# Altium PCB Hydro_USBL_PCB.PcbDoc (part 2 of 2)
Units mm, origin at the board's own origin, x right, y up, seen from the top; angles counter-clockwise.
Board outline 75 x 75 mm, 4 copper layers (Top Layer, Layer 1, Layer 2, Bottom Layer), stack 0.871 mm thick; 273 components, 152 nets, 824 pads, 226 vias.
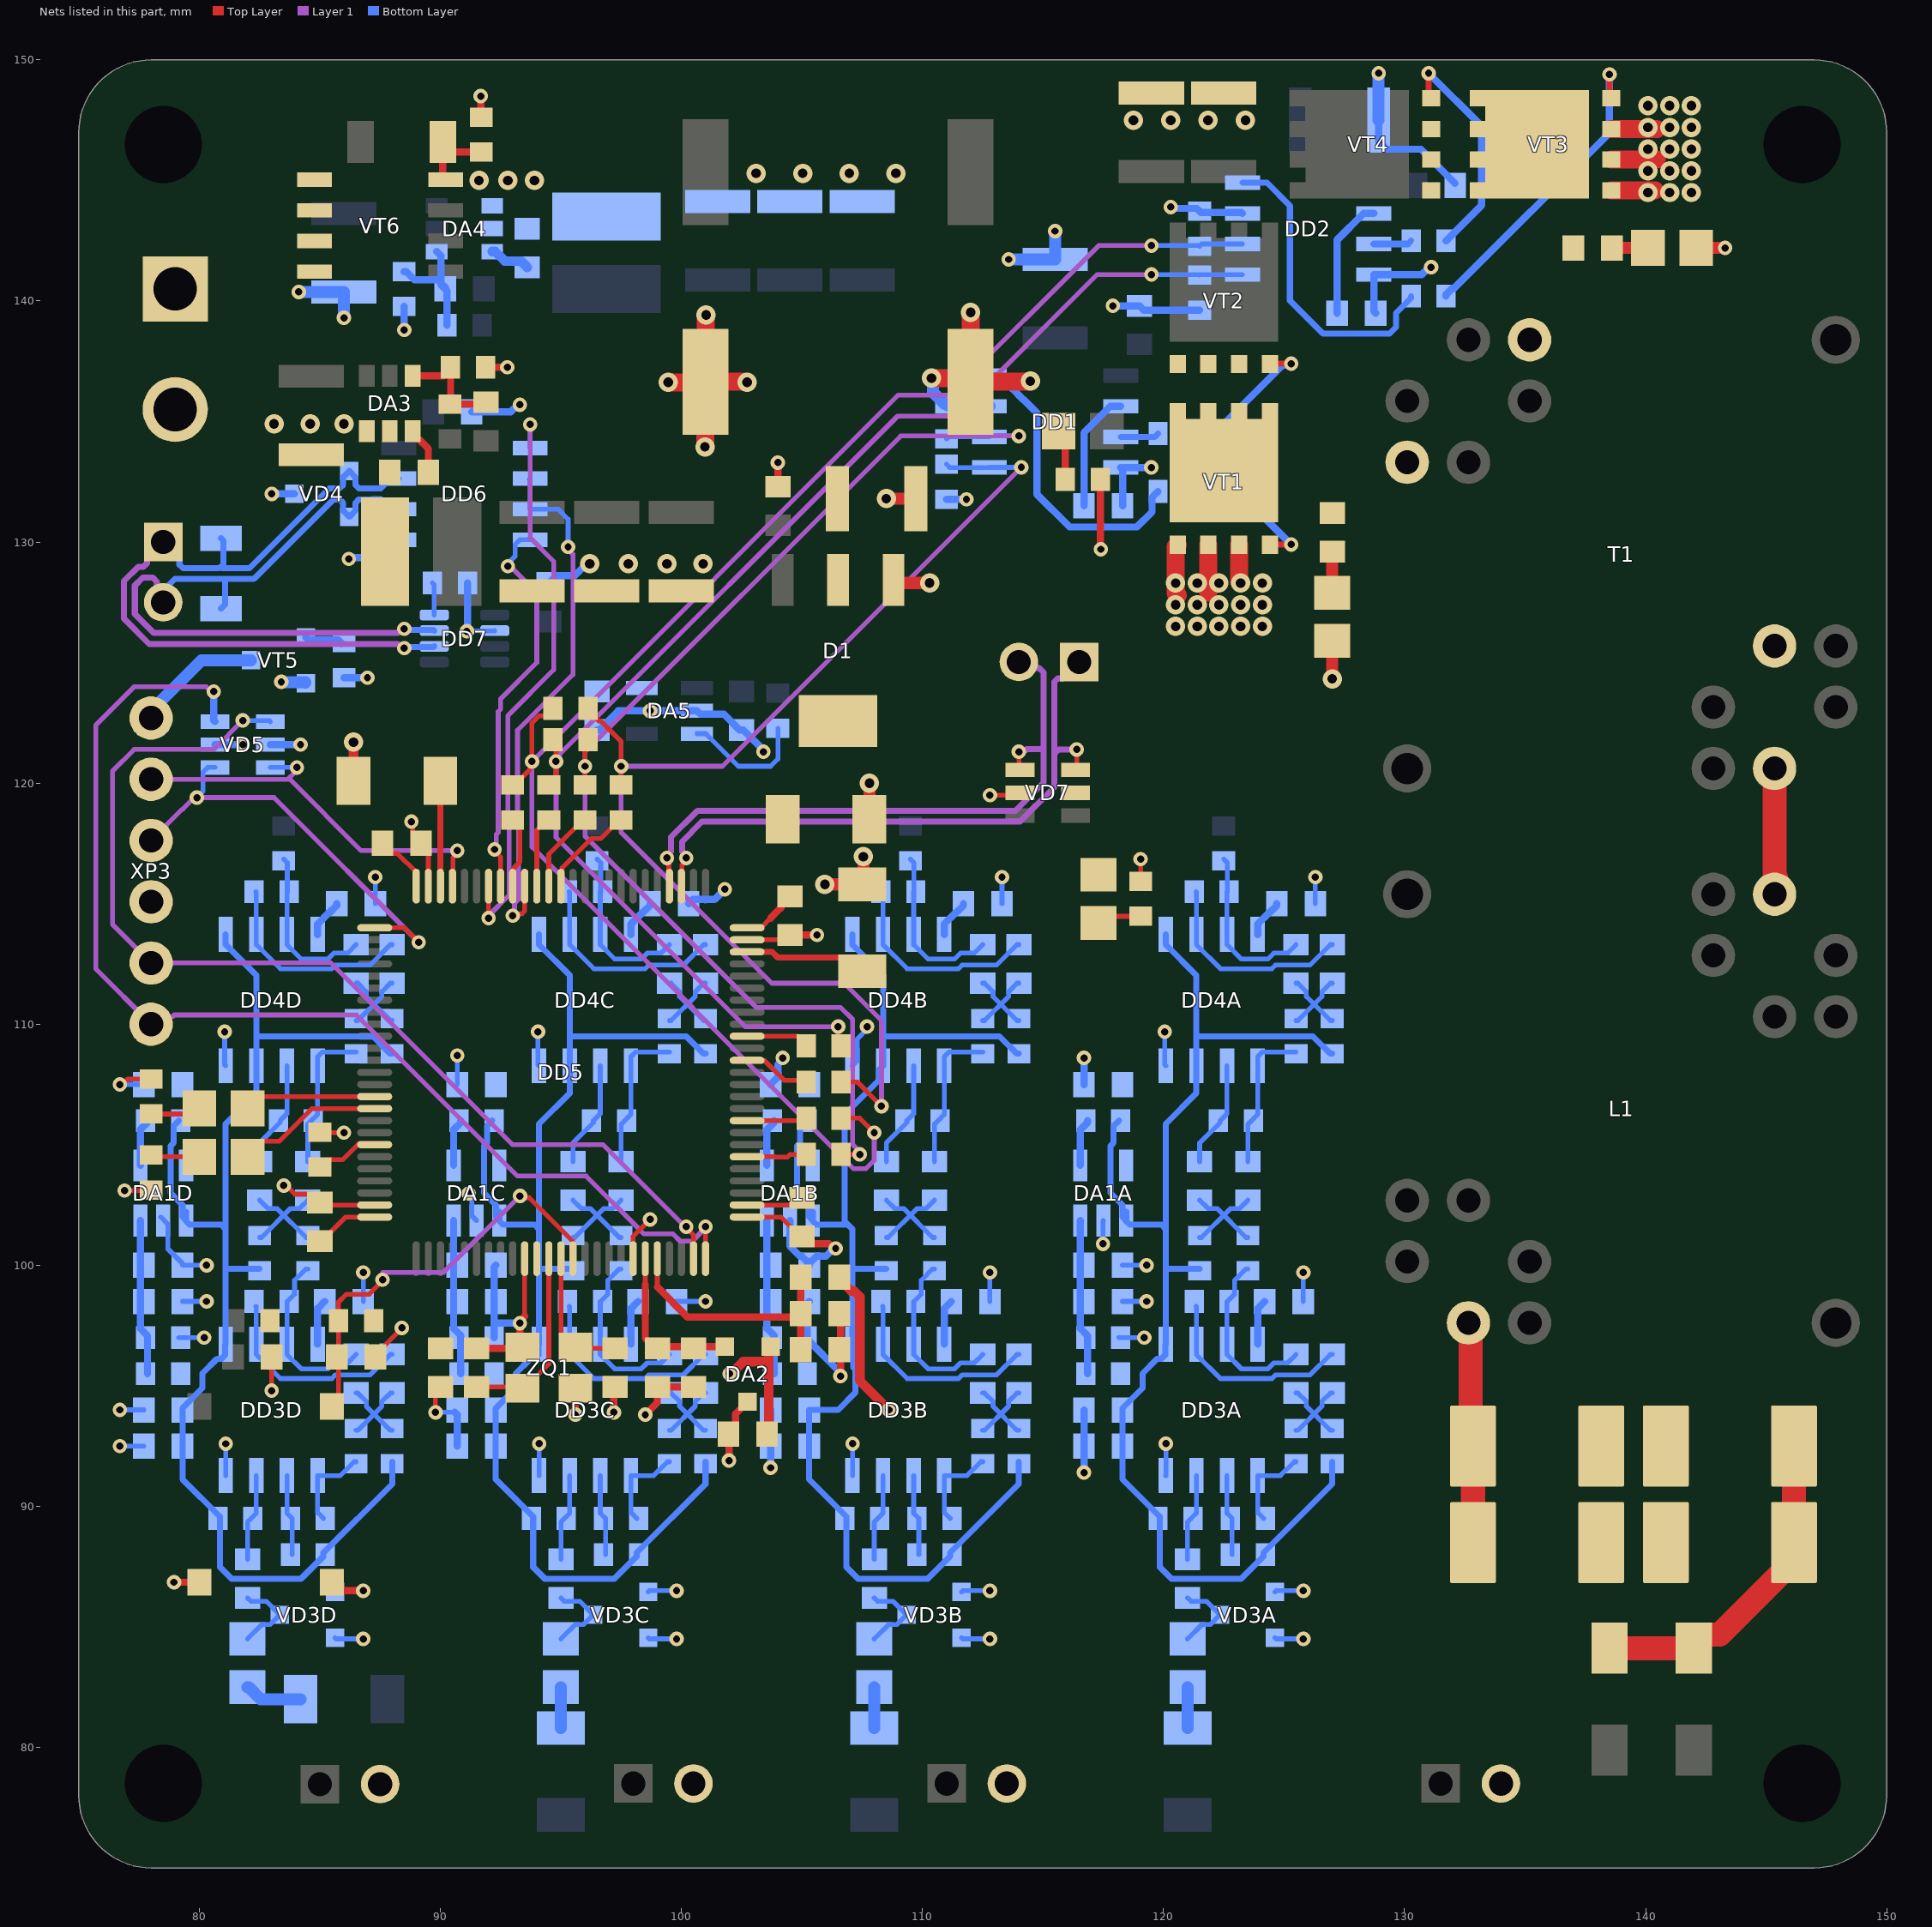
[diagram p4: the nets of this part, all layers, seen from the top]

## Via types
v1: diameter 0.6, hole 0.3, Top Layer to Bottom Layer, tented both sides, 140 vias
v2: diameter 0.8, hole 0.4, Top Layer to Bottom Layer, tented both sides, 86 vias

## Nets (pads, with @x,y where several pads share a name; then routed paths per layer and width w, separated by ;. In a path a pad name is that pad's centre, name@x,y a point inside that pad or via, vN(x,y) a via of type N, cw(c..) or ccw(c..) an arc to the next point about the centre after c; other vN are vias at no path point) (continued)
GND: C1.2 C2.1 C3.2 C4.1 C7.2 C8.1 C9.2 C11.1 C12.1 C21A.1 C21B.1 C21C.1 C21D.1 C22A.1 C22B.1 C22C.1 C22D.1 C23A.1 C23B.1 C23C.1 C23D.1 C24A.1 C24B.1 C24C.1 C24D.1 C27A.1 C27B.1 C27C.1 C27D.1 C28A.1 C28B.1 C28C.1 C28D.1 C31A.1 C31B.1 C31C.1 C31D.1 C34.1 C35.1 C36.1 C37.1 C38.1 C39.1 C40.1 C41.1 C42.1 C43.1 C44.1 C45.1 C46.1 C47.1 C48.1 C49.1 C50.1 C51.1 C52.1 C55.1 C56.1 C57.1 C58.1 C59.1 C60.1 C63.1 C64.1 C65.1 C66.1 C67.2 D1.1 DA1A.2 DA1B.2 DA1C.2 DA1D.2 DA2.3 DA3.4 DA4.4 DA5.2 DD1.7 DD2.7 DD3A.4 DD3B.4 DD3C.4 DD3D.4 DD4A.4 DD4B.4 DD4C.4 DD4D.4 DD5.10 DD5.19 DD5.26 DD5.49 DD5.74 DD5.99 DD6.5 DD7.2 R1.1 R2.1 R3.1 R4.1 R9.1 R10.1 R19A.1 R19B.1 R19C.1 R19D.1 R32.1 R44.1 R45.1 R47.1 R50.1 R52.1 R53.1 R54.1 R56.1 R57.1 S1.2 S2.2 T1.7 VD3A.1 VD3A.2 VD3B.1 VD3B.2 VD3C.1 VD3C.2 VD3D.1 VD3D.2 VD4.3 VD5.2 VD7.2 VT1.1 VT1.2 VT1.3 VT3.1 VT3.2 VT3.3 XP1.N XP3.4 XP5.2 XP6.2 XP7.2 XP8.2 ZQ1.2 ZQ1.4 | length 200.8
  Top Layer w0.2: v1(76.7,107.5) 76.808,107.5 77.033,107.725 R44.1@78,107.725 ; v1(76.9,103.1) 77.975,103.1 R45.1@78,103.125 ; v1(83,94.8) C49.1@83,96.2 ; v1@83.5,103.3 83.614,103.3 83.964,102.95 84.65,102.95 C38.1@85,102.6 85.1,102.5 DD5.99@87.4,102.5 ; R32.1@85,105.525 85.025,105.5 v1(86,105.5) ; C50.1@87.3,96.2 87.3,96.275 88.4,97.375 v1(88.4,97.4) ; v1(88.8,118.4) 88.85,118.35 88.85,117.85 C39.1@89.2,117.5 ; C39.1@89.3,117.5 89.5,117.3 DD5.74@89.5,115.725 ; v1(89.8,93.9) 89.8,94.75 C37.1@90,94.95 ; 93.5,97.881 DD5.10@93.5,100.275 ; DD5.19@98,100.275 98,101.2 v1(98.7,101.9) ; DD5.26@102.725,102 104.125,102 104.925,101.2 C36.1@105,101.2 ; DD5.49@102.725,113.5 104.3,113.5 C42.1@104.5,113.7 ; v1(112.8,119.5) VD7.2@113.85,119.5 ; R52.1@119.05,115.925 v1(119.05,116.85)
  Top Layer w0.3: v1(78.95,86.85) S1.2@80,86.85 ; S2.2@85.5,86.85 85.85,86.5 v1(86.8,86.5) ; C48.1@91.5,96.55 93.35,96.55 ZQ1.2@93.4,96.6 93.3,96.7 v1(93.3,97.6) 93.3,97.681 93.5,97.881 ; v1(91.675,148.5) 91.675,147.65 R56.1@91.7,147.625 ; R47.1@91.875,137.25 v1(92.775,137.25) ; v1(95.6,93.8) ZQ1.4@95.6,94.9 ; v1(97.2,93.9) 97.2,94.9 C47.1@97.25,94.95 ; v1(98.5,93.8) 99,94.3 C41.1@99,94.95 C44.1@100.5,94.95 ; v1(101.975,91.9) 101.975,92.975 C35.1@101.95,93 102.25,93.3 102.25,93.841 DA2.3@102.748,94.339 ; C59.1@104,132.3 v1(104,133.3) ; C42.1@104.5,113.7 v1(105.625,113.7) ; C36.1@105,101.2 105.3,100.9 106.119,100.9 106.319,100.7 v1(106.4,100.7) ; C43.1@106.55,98 106.6,97.95 v1(106.6,95.4) ; R53.1@117.375,132.6 117.387,132.587 117.387,129.712 v1(117.4,129.7)
  Top Layer w0.4: C45.1@86.4,120.1 v2(86.4,121.7)
  Top Layer w0.5: v2(105.95,115.8) C46.1@107.5,115.8 107.55,115.85 v2(107.55,116.95) ; C34.1@107.8,118.5 v2(107.8,120) ; v2(108.5,131.8) C56.1@109.725,131.8 ; D1.1@108.8,128.425 108.92,128.305 v2(110.295,128.305) v2@110.2,128.4 ; v2(127,124.325) 127,125.6 R9.1@127,125.9 ; R10.1@142.1,142.2 v1(143.3,142.2)
  Top Layer w0.75: v2(99.45,136.625) 100.975,136.625 C7.2@100.985,136.635 ; v2(100.975,133.95) 100.985,133.96 C7.2@100.985,136.635 ; v2(101.025,139.425) 101.015,139.415 101.015,136.665 C7.2@101,136.65 ; v2(102.725,136.625) 102.711,136.625 102.686,136.65 C7.2@101,136.65 ; v2(110.375,136.8) 111.85,136.8 C9.2@112,136.65 ; v2(112,139.525) C9.2@112,136.65 ; v2(114.475,136.675) 114.461,136.675 114.436,136.65 C9.2@112,136.65 ; 120.588,127.801 120.51,127.879 120.51,128.29 v2(120.5,128.3) 120.51,128.31 120.51,129.81 VT1.1@120.588,129.888 ; 121.863,127.9 VT1.2@121.863,129.888 ; v2@123.138,128.362 VT1.3@123.138,129.888 ; VT3.1@138.575,144.588 v2@140.388,144.588 ; VT3.2@138.575,145.863 140.463,145.863 ; VT3.3@138.575,147.138 v2@140.462,147.138 ; C7.2@100.985,136.635 C7.2@101,136.65
  Bottom Layer w0.2: v1(76.7,92.5) C28D.1@77.7,92.5 ; v1(76.7,94) C27D.1@77.7,94 ; v1(76.7,107.5) C23D.1@77.7,107.5 ; DA1D.2@78.4,102 78.695,101.705 78.695,100.68 79.3,100.075 C21D.1@79.3,100 v1(80.3,100) ; R19D.1@79.15,97 R19D.1@79.225,97 v1(80.2,97) ; C22D.1@79.3,98.5 v1(80.3,98.5) ; v1(81.052,109.684) 81.052,108.318 DD4D.4@81.095,108.275 ; DD3D.4@81.095,91.275 v1(81.095,92.595) ; VD3D.2@85.625,84.545 85.67,84.5 v1(86.8,84.5) ; VD3D.1@85.625,86.45 85.675,86.5 v1(86.8,86.5) ; C24D.1@86.8,98.5 v1(86.8,99.7) ; C31D.1@87.3,115 v1(87.3,116.1) ; v1(89.8,93.9) C27C.1@90.6,93.9 ; C23C.1@90.7,107.5 v1(90.7,108.7) ; v1(91.1,126.3) 91.113,126.312 92.242,126.312 DD7.2@92.255,126.325 ; v1(91.175,102.975) 91.175,102.867 91.305,102.737 91.305,102.05 DA1C.2@91.5,101.855 ; v1(94.052,109.684) 94.052,108.318 DD4C.4@94.095,108.275 ; DD3C.4@94.095,91.275 94.1,91.28 v1(94.1,92.6) ; VD3C.2@98.625,84.545 98.67,84.5 v1(99.8,84.5) ; VD3C.1@98.625,86.45 98.675,86.5 v1(99.8,86.5) ; C24C.1@99.8,98.5 v1(101,98.5) ; DD3B.4@107.095,91.275 107.1,91.28 v1(107.1,92.6) ; DD4B.4@107.095,108.275 107.295,108.475 107.295,109.387 107.7,109.792 v1(107.7,109.9) ; VD3B.2@111.625,84.545 111.67,84.5 v1(112.8,84.5) ; VD3B.1@111.625,86.45 111.675,86.5 v1(112.8,86.5) ; C24B.1@112.8,98.5 v1(112.8,99.7) ; C31B.1@113.3,115 v1(113.3,116.1) ; v1(117.491,100.891) 117.495,100.895 117.495,101.85 DA1A.2@117.5,101.855 ; R19A.1@118.15,97 R19A.1@118.225,97 v1(119.2,97) ; C22A.1@118.3,98.5 v1(119.3,98.5) ; C21A.1@118.3,100 v1(119.3,100) ; v1(120.052,109.684) 120.052,108.318 DD4A.4@120.095,108.275 ; DD3A.4@120.095,91.275 120.1,91.28 v1(120.1,92.6) ; VD3A.2@124.625,84.545 124.67,84.5 v1(125.8,84.5) ; VD3A.1@124.625,86.45 124.675,86.5 v1(125.8,86.5) ; C24A.1@125.8,98.5 v1(125.8,99.7) ; C31A.1@126.3,115 v1(126.3,116.1)
  Bottom Layer w0.3: VD5.2@80.65,121.6 v1(81.8,121.6) ; v1(83.002,131.998) VD4.3@83.939,131.998 ; R54.1@86,124.375 v1(86.975,124.375) ; v1(86.2,129.3) 86.257,129.357 87.112,129.357 87.85,130.095 DD6.5@88.275,130.095 ; v1(88.5,138.8) R50.1@88.5,139.775 ; C27C.1@90.6,93.9 90.7,93.8 C28C.1@90.7,92.5 ; v1@91.113,126.312 91.125,126.325 R57.1@91.125,128.3 ; C67.2@91.3,135.4 92.919,135.4 93.219,135.7 v1(93.3,135.7) ; R19C.1@92.225,97 92.225,97.6 ; C21C.1@92.3,100 92.225,99.925 92.225,97.6 ; v1(93.3,97.6) 92.225,97.6 ; C12.1@94.5,128.3 94.8,128.6 95.565,128.6 96.065,129.1 v2(96.2,129.1) ; C63.1@96.5,122.2 96.575,122.2 97.375,123 v1(98.7,123) DA5.2@100.645,123 100.79,122.855 101.77,122.855 102.425,122.2 C52.1@102.5,122.2 ; C31C.1@100.3,115 100.476,115.176 101.376,115.176 v1(101.8,115.6) ; C52.1@102.575,122.2 103.4,121.375 v1(103.4,121.3) ; v1(103.7,91.6) C28B.1@103.7,92.5 C27B.1@103.7,94 ; C23B.1@103.7,107.5 104,107.8 104,108.319 104.2,108.519 v1(104.2,108.6) ; DA1B.2@104.5,101.855 104.5,100.8 104.925,100.375 105,100.375 C21B.1@105.3,100.075 ; R19B.1@105.225,96.925 106.543,95.607 106.543,95.457 v1(106.6,95.4) ; R19B.1@105.225,97 105.225,98.425 C22B.1@105.3,98.5 ; C21B.1@105.3,100 C21B.1@105.3,100.075 ; v1(106.4,100.7) 106.319,100.7 105.994,100.375 105.6,100.375 C21B.1@105.3,100.075 ; R3.1@111,131.775 v1(111.825,131.775) ; v1(116.7,91.4) C28A.1@116.7,92.5 C27A.1@116.7,94 ; C23A.1@116.7,107.5 v1(116.7,108.6) ; v1(117.9,139.8) C2.1@119,139.8 119.175,139.625 R4.1@121.5,139.625 ; v1(120.3,143.9) 120.357,143.843 121.382,143.843 R2.1@121.5,143.725 121.545,143.68 123.23,143.68 DD2.7@123.275,143.635 ; C3.2@128.925,147.5 128.925,146.624 129.252,146.297 130.678,146.297 C4.1@132.1,144.875
  Bottom Layer w0.5: v1(84.125,140.375) C60.1@86,140.375 v1(86,139.3) ; v2(110.375,136.8) 110.432,136.743 110.432,136.218 110.925,135.725 R1.1@111,135.725 111.045,135.68 112.73,135.68 DD1.7@112.775,135.635 ; v1(113.575,141.725) C1.2@115.5,141.725 v1(115.5,142.9) ; C3.2@128.925,147.5 v1(128.925,149.45) v1@128.925,149.475
  other v1: 83.5,103.306
  other v2: 120.5,126.5 121.4,126.5 122.3,126.5 123.2,126.5 124.1,126.5 120.5,127.4 121.4,127.4 122.3,127.4 123.2,127.4 124.1,127.4 121.4,128.3 122.3,128.3 123.2,128.3 124.1,128.3 97.8,129.1 99.4,129.1 100.9,129.1 83.1,134.9 84.6,134.9 86,134.9 140.1,144.5 141,144.5 141.9,144.5 91.6,145 92.8,145 93.9,145 103.1,145.3 105.033,145.3 106.967,145.3 108.9,145.3 140.1,145.4 141,145.4 141.9,145.4 140.1,146.3 141,146.3 141.9,146.3 140.1,147.2 141,147.2 141.9,147.2 118.75,147.5 120.3,147.5 121.85,147.5 123.4,147.5 140.1,148.1 141,148.1 141.9,148.1
HRTIM_CHA1_4: DD5.63 R33.1 | length 4.1
  Top Layer w0.2: DD5.63@95,115.725 95.019,115.744 95.019,116.346 95.05,116.377 95.05,116.486 96.264,117.7 96.65,117.7 97.425,118.475 R33.1@97.5,118.475
HRTIM_CHA2_4: DD5.64 R34.1 | length 3.4
  Top Layer w0.2: DD5.64@94.5,115.725 94.5,117.05 95.925,118.475 R34.1@96,118.475
HRTIM_CHB1_4: DD5.65 R35.1 | length 3
  Top Layer w0.2: DD5.65@94,115.725 94,118.05 94.425,118.475 R35.1@94.5,118.475
HRTIM_CHB2_4: DD5.67 R36.1 | length 3
  Top Layer w0.2: DD5.67@93,115.725 93,116.327 93.05,116.377 93.05,116.486 93.3,116.736 93.3,118.175 R36.1@93,118.475
LED1_4: DD5.90 HL1.1 | length 5.3
  Top Layer w0.2: HL1.1@82,106.9 82.1,107 DD5.90@87.275,107
LED2_4: DD5.91 HL2.1 | length 6.3
  Top Layer w0.2: HL2.1@82,104.5 82,104.55 82.6,105.15 83.326,105.15 84.676,106.5 DD5.91@87.4,106.5
NetC5_1: C5.1 DD1.2 | length 5
  Bottom Layer w0.3: C5.1@116.7,131.5 116.7,134.535 117.8,135.635 DD1.2@118.225,135.635
NetC5_2: C5.2 C10.2 DD1.4 T1.2 VT1.5 VT2.1 VT2.2 VT2.3 | length 2.9
  Bottom Layer w0.3: C5.2@118.3,131.5 118.3,133.02 DD1.4@118.225,133.095 v1(119.495,133.095)
NetC6_1: C6.1 DD2.2 | length 5
  Bottom Layer w0.3: C6.1@127.2,139.5 127.2,142.535 128.3,143.635 DD2.2@128.725,143.635
NetC6_2: C6.2 C15.2 DD2.4 T1.5 VT3.5 VT4.1 VT4.2 VT4.3 | length 4.1
  Bottom Layer w0.3: C6.2@128.8,139.5 128.725,139.575 DD2.4@128.725,141.095 130.714,141.095 131.019,141.4 v1(131.1,141.4)
NetC10_1: C10.1 R9.2 | length 1.7
  Top Layer w0.5: R9.2@127,127.6 C10.1@127,129.3
NetC15_1: C15.1 R10.2 | length 1.5
  Top Layer w0.5: C15.1@138.6,142.2 R10.2@140.1,142.2
NetC19A_2: C19A.2 R15A.1 | length 1.7
  Bottom Layer w0.5: C19A.2@121,80.8 R15A.1@121,82.5
NetC19B_2: C19B.2 R15B.1 | length 1.7
  Bottom Layer w0.5: C19B.2@108,80.8 R15B.1@108,82.5
NetC19C_2: C19C.2 R15C.1 | length 1.7
  Bottom Layer w0.5: C19C.2@95,80.8 R15C.1@95,82.5
NetC19D_2: C19D.2 R15D.1 | length 2.4
  Bottom Layer w0.5: R15D.1@82,82.5 82.05,82.5 82.55,82 C19D.2@84.2,82
NetC20A_1: C20A.1 R15A.2 VD3A.3 | length 3.4
  Bottom Layer w0.2: R15A.2@121,84.5 121.6,85.1 121.941,85.1 VD3A.3@122.339,85.497 121.775,86.061 121.139,86.061 C20A.1@121,86.2
NetC20A_2: C20A.2 DD3A.3 R17A.2 | length 3.6
  Bottom Layer w0.2: C20A.2@121,87.8 121,89.35 121.15,89.5 121.365,89.715 DD3A.3@121.365,91.275
NetC20B_1: C20B.1 R15B.2 VD3B.3 | length 3.4
  Bottom Layer w0.2: R15B.2@108,84.5 108.6,85.1 108.941,85.1 VD3B.3@109.339,85.497 108.775,86.061 108.139,86.061 C20B.1@108,86.2
NetC20B_2: C20B.2 DD3B.3 R17B.2 | length 3.6
  Bottom Layer w0.2: C20B.2@108,87.8 108,89.35 108.15,89.5 108.365,89.715 DD3B.3@108.365,91.275
NetC20C_1: C20C.1 R15C.2 VD3C.3 | length 3.4
  Bottom Layer w0.2: R15C.2@95,84.5 95.6,85.1 95.941,85.1 VD3C.3@96.339,85.497 95.775,86.061 95.139,86.061 C20C.1@95,86.2
NetC20C_2: C20C.2 DD3C.3 R17C.2 | length 3.6
  Bottom Layer w0.2: C20C.2@95,87.8 95,89.35 95.15,89.5 95.365,89.715 DD3C.3@95.365,91.275
NetC20D_1: C20D.1 R15D.2 VD3D.3 | length 3.4
  Bottom Layer w0.2: R15D.2@82,84.5 82.6,85.1 82.942,85.1 VD3D.3@83.339,85.497 82.775,86.061 82.139,86.061 C20D.1@82,86.2
NetC20D_2: C20D.2 DD3D.3 R17D.2 | length 3.6
  Bottom Layer w0.2: C20D.2@82,87.8 82,89.35 82.15,89.5 82.365,89.715 DD3D.3@82.365,91.275
NetC21A_2: C21A.2 C22A.2 DA1A.3 R18A.1 R19A.2 | length 6.5
  Bottom Layer w0.3: DA1A.3@116.55,101.855 116.55,97.375 116.85,97.075 R18A.1@116.85,95.5
NetC21B_2: C21B.2 C22B.2 DA1B.3 R18B.1 R19B.2 | length 6.5
  Bottom Layer w0.3: DA1B.3@103.55,101.855 103.55,97.375 103.85,97.075 103.85,97 R18B.1@103.85,95.5
NetC21C_2: C21C.2 C22C.2 DA1C.3 R18C.1 R19C.2 | length 6.5
  Bottom Layer w0.3: DA1C.3@90.55,101.855 90.55,97.375 90.85,97.075 90.85,97 R18C.1@90.85,95.5
NetC21D_2: C21D.2 C22D.2 DA1D.3 R18D.1 R19D.2 | length 6.5
  Bottom Layer w0.3: DA1D.3@77.55,101.855 77.55,97.375 77.85,97.075 77.85,97 R18D.1@77.85,95.5
NetC25A_1: C25A.1 C26A.1 R21A.1 R22A.2 | length 4.5
  Bottom Layer w0.2: R22A.2@125.5,93.15 125.575,93.15 126.575,94.15 126.575,94.35 126.925,94.7 C26A.1@127,94.7 ; C25A.1@125.5,94.7 125.575,94.7 125.925,94.35 125.925,94.15 126.925,93.15 R21A.1@127,93.15
NetC25A_2: C25A.2 DD3A.7 R24A.1 R25A.1 | length 7.3
  Bottom Layer w0.2: R25A.1@123.5,99.85 123.425,99.85 122.95,99.375 122.95,98.8 122.65,98.5 122.635,98.485 DD3A.7@122.635,96.725 122.635,96.3 123.235,95.7 124.329,95.7 124.579,95.95 125.15,95.95 C25A.2@125.5,96.3
NetC25B_1: C25B.1 C26B.1 R21B.1 R22B.2 | length 4.5
  Bottom Layer w0.2: R22B.2@112.5,93.15 112.575,93.15 113.575,94.15 113.575,94.35 113.925,94.7 C26B.1@114,94.7 ; C25B.1@112.5,94.7 112.575,94.7 112.925,94.35 112.925,94.15 113.925,93.15 R21B.1@114,93.15
NetC25B_2: C25B.2 DD3B.7 R24B.1 R25B.1 | length 7.3
  Bottom Layer w0.2: R25B.1@110.5,99.85 110.425,99.85 109.95,99.375 109.95,98.8 109.65,98.5 109.635,98.485 DD3B.7@109.635,96.725 109.635,96.3 110.235,95.7 111.329,95.7 111.579,95.95 112.15,95.95 C25B.2@112.5,96.3
NetC25C_1: C25C.1 C26C.1 R21C.1 R22C.2 | length 4.5
  Bottom Layer w0.2: R22C.2@99.5,93.15 99.575,93.15 100.575,94.15 100.575,94.35 100.925,94.7 C26C.1@101,94.7 ; C25C.1@99.5,94.7 99.575,94.7 99.925,94.35 99.925,94.15 100.925,93.15 R21C.1@101,93.15
NetC25C_2: C25C.2 DD3C.7 R24C.1 R25C.1 | length 7.3
  Bottom Layer w0.2: R25C.1@97.5,99.85 97.425,99.85 96.95,99.375 96.95,98.8 96.65,98.5 96.635,98.485 DD3C.7@96.635,96.725 96.635,96.3 97.235,95.7 98.329,95.7 98.579,95.95 99.15,95.95 C25C.2@99.5,96.3
NetC25D_1: C25D.1 C26D.1 R21D.1 R22D.2 | length 4.5
  Bottom Layer w0.2: R22D.2@86.5,93.15 86.575,93.15 87.575,94.15 87.575,94.35 87.925,94.7 C26D.1@88,94.7 ; C25D.1@86.5,94.7 86.575,94.7 86.925,94.35 86.925,94.15 87.925,93.15 R21D.1@88,93.15
NetC25D_2: C25D.2 DD3D.7 R24D.1 R25D.1 | length 7.3
  Bottom Layer w0.2: R25D.1@84.5,99.85 84.425,99.85 83.95,99.375 83.95,98.8 83.65,98.5 83.635,98.485 DD3D.7@83.635,96.725 83.635,96.3 84.235,95.7 85.329,95.7 85.579,95.95 86.15,95.95 C25D.2@86.5,96.3
NetC26A_2: C26A.2 DD3A.6 R24A.2 | length 8.5
  Bottom Layer w0.2: R24A.2@121.35,98.3 121.365,98.285 121.365,96.3 122.365,95.3 124.497,95.3 124.647,95.45 126.075,95.45 126.925,96.3 C26A.2@127,96.3
NetC26B_2: C26B.2 DD3B.6 R24B.2 | length 8.5
  Bottom Layer w0.2: R24B.2@108.35,98.3 108.365,98.285 108.365,96.3 109.365,95.3 111.497,95.3 111.647,95.45 113.075,95.45 113.925,96.3 C26B.2@114,96.3
NetC26C_2: C26C.2 DD3C.6 R24C.2 | length 8.5
  Bottom Layer w0.2: R24C.2@95.35,98.3 95.365,98.285 95.365,96.3 96.365,95.3 98.497,95.3 98.647,95.45 100.075,95.45 100.925,96.3 C26C.2@101,96.3
NetC26D_2: C26D.2 DD3D.6 R24D.2 | length 8.5
  Bottom Layer w0.2: R24D.2@82.35,98.3 82.365,98.285 82.365,96.3 83.365,95.3 85.497,95.3 85.647,95.45 87.075,95.45 87.925,96.3 C26D.2@88,96.3
NetC29A_1: C29A.1 C30A.1 R25A.2 R26A.2 | length 5.3
  Bottom Layer w0.2: R26A.2@121.5,101.15 121.575,101.15 122.775,102.35 123.15,102.35 C29A.1@123.5,102.7 ; C30A.1@121.5,102.7 121.85,102.35 122.225,102.35 123.425,101.15 R25A.2@123.5,101.15
NetC29A_2: C29A.2 DD4A.1 R27A.2 R29A.1 | length 6.2
  Bottom Layer w0.2: C29A.2@123.5,104.3 123.5,105.85 123.65,106 123.905,106.255 DD4A.1@123.905,108.275 123.905,108.65 124.105,108.85 R29A.1@125.5,108.85
NetC29B_1: C29B.1 C30B.1 R25B.2 R26B.2 | length 5.3
  Bottom Layer w0.2: R26B.2@108.5,101.15 108.575,101.15 109.775,102.35 110.15,102.35 C29B.1@110.5,102.7 ; C30B.1@108.5,102.7 108.85,102.35 109.225,102.35 110.425,101.15 R25B.2@110.5,101.15
NetC29B_2: C29B.2 DD4B.1 R27B.2 R29B.1 | length 6.2
  Bottom Layer w0.2: C29B.2@110.5,104.3 110.5,105.85 110.65,106 110.905,106.255 DD4B.1@110.905,108.275 110.905,108.65 111.105,108.85 R29B.1@112.5,108.85
NetC29C_1: C29C.1 C30C.1 R25C.2 R26C.2 | length 5.3
  Bottom Layer w0.2: R26C.2@95.5,101.15 95.575,101.15 96.775,102.35 97.15,102.35 C29C.1@97.5,102.7 ; C30C.1@95.5,102.7 95.85,102.35 96.225,102.35 97.425,101.15 R25C.2@97.5,101.15
NetC29C_2: C29C.2 DD4C.1 R27C.2 R29C.1 | length 6.2
  Bottom Layer w0.2: C29C.2@97.5,104.3 97.5,105.85 97.65,106 97.905,106.255 DD4C.1@97.905,108.275 97.905,108.65 98.105,108.85 R29C.1@99.5,108.85
NetC29D_1: C29D.1 C30D.1 R25D.2 R26D.2 | length 5.3
  Bottom Layer w0.2: R26D.2@82.5,101.15 82.575,101.15 83.775,102.35 84.15,102.35 C29D.1@84.5,102.7 ; C30D.1@82.5,102.7 82.85,102.35 83.225,102.35 84.425,101.15 R25D.2@84.5,101.15
NetC29D_2: C29D.2 DD4D.1 R27D.2 R29D.1 | length 6.2
  Bottom Layer w0.2: C29D.2@84.5,104.3 84.5,105.85 84.65,106 84.905,106.255 DD4D.1@84.905,108.275 84.905,108.65 85.105,108.85 R29D.1@86.5,108.85
NetC30A_2: C30A.2 DD4A.2 R27A.1 | length 4.4
  Bottom Layer w0.2: C30A.2@121.5,104.3 121.5,105.075 122.35,105.925 122.35,106 122.635,106.285 DD4A.2@122.635,108.275
NetC30B_2: C30B.2 DD4B.2 R27B.1 | length 4.4
  Bottom Layer w0.2: C30B.2@108.5,104.3 108.5,105.075 109.35,105.925 109.35,106 109.635,106.285 DD4B.2@109.635,108.275
NetC30C_2: C30C.2 DD4C.2 R27C.1 | length 4.4
  Bottom Layer w0.2: C30C.2@95.5,104.3 95.5,105.075 96.35,105.925 96.35,106 96.635,106.285 DD4C.2@96.635,108.275
NetC30D_2: C30D.2 DD4D.2 R27D.1 | length 4.4
  Bottom Layer w0.2: C30D.2@82.5,104.3 82.5,105.075 83.35,105.925 83.35,106 83.635,106.285 DD4D.2@83.635,108.275
NetC32A_1: C32A.1 C33A.1 R28A.2 R29A.2 | length 4.5
  Bottom Layer w0.2: R29A.2@125.5,110.15 125.575,110.15 126.575,111.15 126.575,111.35 126.925,111.7 C33A.1@127,111.7 ; C32A.1@125.5,111.7 125.575,111.7 125.925,111.35 125.925,111.15 126.925,110.15 R28A.2@127,110.15
NetC32A_2: C32A.2 DD4A.7 R30A.2 R31A.1 | length 7
  Bottom Layer w0.2: R31A.1@122.5,116.85 122.65,116.7 122.65,115.5 122.635,115.485 DD4A.7@122.635,113.725 122.635,113.3 123.235,112.7 124.329,112.7 124.579,112.95 125.15,112.95 C32A.2@125.5,113.3
NetC32B_1: C32B.1 C33B.1 R28B.2 R29B.2 | length 4.5
  Bottom Layer w0.2: R29B.2@112.5,110.15 112.575,110.15 113.575,111.15 113.575,111.35 113.925,111.7 C33B.1@114,111.7 ; C32B.1@112.5,111.7 112.575,111.7 112.925,111.35 112.925,111.15 113.925,110.15 R28B.2@114,110.15
NetC32B_2: C32B.2 DD4B.7 R30B.2 R31B.1 | length 7
  Bottom Layer w0.2: R31B.1@109.5,116.85 109.65,116.7 109.65,115.5 109.635,115.485 DD4B.7@109.635,113.725 109.635,113.3 110.235,112.7 111.329,112.7 111.579,112.95 112.15,112.95 C32B.2@112.5,113.3
NetC32C_1: C32C.1 C33C.1 R28C.2 R29C.2 | length 4.5
  Bottom Layer w0.2: R29C.2@99.5,110.15 99.575,110.15 100.575,111.15 100.575,111.35 100.925,111.7 C33C.1@101,111.7 ; C32C.1@99.5,111.7 99.575,111.7 99.925,111.35 99.925,111.15 100.925,110.15 R28C.2@101,110.15
NetC32C_2: C32C.2 DD4C.7 R30C.2 R31C.1 | length 7
  Bottom Layer w0.2: R31C.1@96.5,116.85 96.65,116.7 96.65,115.5 96.635,115.485 DD4C.7@96.635,113.725 96.635,113.3 97.235,112.7 98.329,112.7 98.579,112.95 99.15,112.95 C32C.2@99.5,113.3
NetC32D_1: C32D.1 C33D.1 R28D.2 R29D.2 | length 4.5
  Bottom Layer w0.2: R29D.2@86.5,110.15 86.575,110.15 87.575,111.15 87.575,111.35 87.925,111.7 C33D.1@88,111.7 ; C32D.1@86.5,111.7 86.575,111.7 86.925,111.35 86.925,111.15 87.925,110.15 R28D.2@88,110.15
NetC32D_2: C32D.2 DD4D.7 R30D.2 R31D.1 | length 7
  Bottom Layer w0.2: R31D.1@83.5,116.85 83.65,116.7 83.65,115.5 83.635,115.485 DD4D.7@83.635,113.725 83.635,113.3 84.235,112.7 85.329,112.7 85.579,112.95 86.15,112.95 C32D.2@86.5,113.3
NetC33A_2: C33A.2 DD4A.6 R30A.1 | length 8.7
  Bottom Layer w0.2: R30A.1@121.35,115.5 121.365,115.485 DD4A.6@121.365,113.725 121.365,113.3 122.365,112.3 124.495,112.3 124.645,112.45 126.075,112.45 126.925,113.3 C33A.2@127,113.3